# Altium PCB pokey.PcbDoc (part 3 of 4)
Units mil, origin at the board's own origin, x right, y up, seen from the top; angles counter-clockwise.
Board outline 14208.66 x 3708.66 mil, 4 copper layers (Top Layer, Mid-Layer 1, Mid-Layer 2, Bottom Layer), stack 61.2 mil thick; 385 components, 209 nets, 1413 pads, 947 vias.
Unrouted connection lines stored in the file: 121.
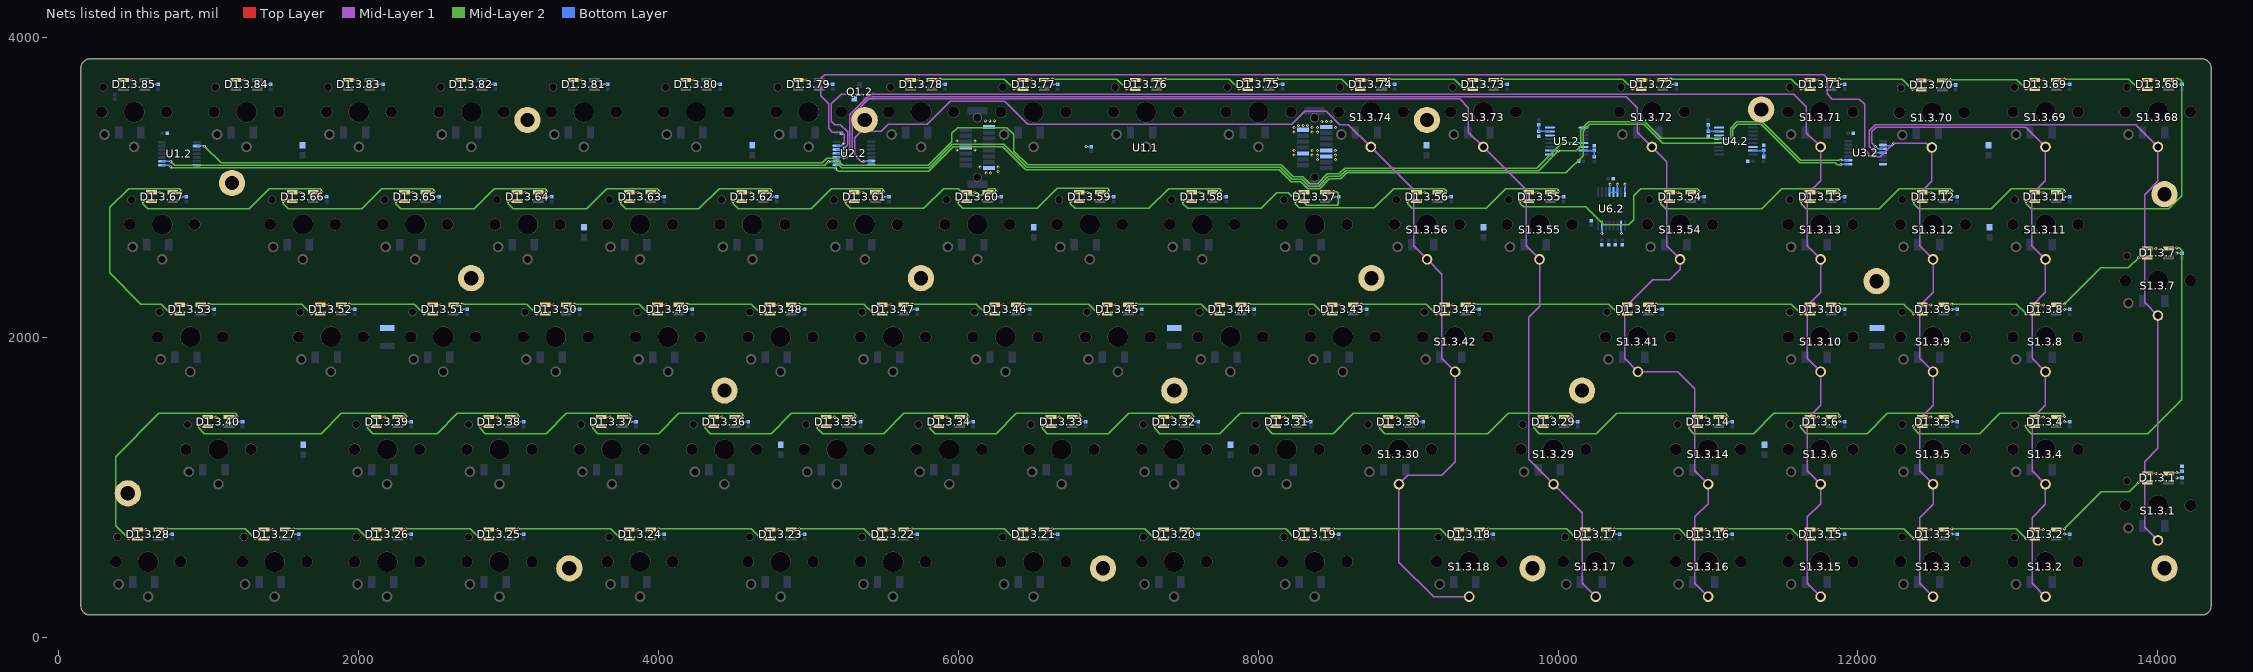
[diagram p5: the nets of this part, all layers, seen from the top]

## Via types
v1: diameter 20, hole 10, Top Layer to Bottom Layer, tented both sides, 946 vias
v2: diameter 20, hole 10, Top Layer to Bottom Layer, 1 vias

## Nets (pads, with @x,y where several pads share a name; then routed paths per layer and width w, separated by ;. In a path a pad name is that pad's centre, name@x,y a point inside that pad or via, vN(x,y) a via of type N, cw(c..) or ccw(c..) an arc to the next point about the centre after c; other vN are vias at no path point) (continued)
COL_11: S1.3.18.1 S1.3.30.1 S1.3.42.1 S1.3.56.1 S1.3.74.1 U2.2.6 | length 7841.6
  Mid-Layer 1 w10: v1(5367.5,3172.5) 5367.32,3172.68 5352.32,3172.68 5308.5,3216.5 5308.5,3331.13 5352.37,3375 5485,3375 5532.5,3422.5 5792.25,3422.5 5944.25,3574.5 6310.75,3574.5 6462.75,3422.5 8222.5,3422.5 8310,3510 8455,3510 8545,3420 8602.12,3420 S1.3.74.1@8751.41,3270.71 9037.07,2985.06 9037.07,2610.05 S1.3.56.1@9126.41,2520.71 9224.57,2422.56 9224.57,1860.05 S1.3.42.1@9313.91,1770.71 9313.91,1168.91 9225,1080 8998.21,1080 S1.3.30.1@8938.91,1020.71 8938.91,501.09 9169.29,270.71 9319.29,270.71 S1.3.18.1@9407.66,270.71
  Bottom Layer w10: v1(5367.5,3172.5) 5371.32,3176.32 U2.2.6@5418.64,3176.32
COL_12: S1.3.17.1 S1.3.29.1 S1.3.55.1 S1.3.73.1 U2.2.10 | length 8222.3
  Mid-Layer 1 w10: v1(5237.5,3197.5) 5257.5,3197.5 5292.5,3232.5 5292.5,3479.62 5403.38,3590.5 9343.41,3590.5 9402.5,3531.41 9402.5,3369.62 S1.3.73.1@9501.41,3270.71 9787.07,2985.06 9787.07,2610.05 S1.3.55.1@9876.41,2520.71 9876.41,2206.41 9804,2134 9804,1186.87 9880.82,1110.05 S1.3.29.1@9970.16,1020.71 10162.07,828.81 10162.07,360.05 S1.3.17.1@10251.41,270.71
  Bottom Layer w10: U2.2.10@5186.36,3201.91 5233.09,3201.91 v1(5237.5,3197.5)
COL_13: S1.3.14.1 S1.3.16.1 S1.3.41.1 S1.3.54.1 S1.3.72.1 U2.2.11 | length 9720.2
  Mid-Layer 1 w10: v1(5237.5,3227.5) 5276.5,3266.5 5276.5,3486.25 5396.75,3606.5 10453.5,3606.5 10527.5,3532.5 10527.5,3369.62 S1.3.72.1@10626.41,3270.71 10724.57,3172.56 10724.57,2610.05 S1.3.54.1@10813.91,2520.71 10813.91,2453.91 10745,2385 10630,2385 10443.32,2198.32 10443.32,1860.05 S1.3.41.1@10532.66,1770.71 10799.29,1770.71 10912.07,1657.93 10912.07,1110.05 S1.3.14.1@11001.41,1020.71 11001.41,891.41 10912.07,802.07 10912.07,360.05 S1.3.16.1@11001.41,270.71
  Bottom Layer w10: U2.2.11@5186.36,3227.5 v1(5237.5,3227.5)
COL_14: S1.3.6.1 S1.3.10.1 S1.3.13.1 S1.3.15.1 S1.3.71.1 U2.2.12 | length 10594.6
  Mid-Layer 1 w10: v1(5237.5,3262.5) 5260.5,3285.5 5260.5,3370.75 5212.75,3418.5 5176.5,3418.5 5152,3443 5152,3557 5217.5,3622.5 11572.07,3622.5 11657.07,3537.5 11657.07,3365.05 S1.3.71.1@11751.41,3270.71 11751.41,3046.41 11662.07,2957.07 11662.07,2610.05 S1.3.13.1@11751.41,2520.71 11751.41,2301.41 11662.07,2212.07 11662.07,1860.05 S1.3.10.1@11751.41,1770.71 11751.41,1546.41 11662.07,1457.07 11662.07,1110.05 S1.3.6.1@11751.41,1020.71 11751.41,891.41 11662.07,802.07 11662.07,360.05 S1.3.15.1@11751.41,270.71
  Bottom Layer w10: U2.2.12@5186.36,3253.09 5228.09,3253.09 v1(5237.5,3262.5)
COL_15: S1.3.3.1 S1.3.5.1 S1.3.9.1 S1.3.12.1 S1.3.70.1 U2.2.13 U3.2.2 | length 11863.1
  Mid-Layer 1 w10: v1(5237.5,3297.5) 5237.5,3352.5 5220,3370 5160,3370 5136,3394 5136,3559 5082.5,3612.5 5082.5,3727.5 5107.5,3752.5 11772.5,3752.5 11795,3730 11795,3625 11830,3590 12010,3590 12045,3555 12045,3250 12090,3205 12150.18,3205 v1(12238.86,3293.68) 12456.96,3293.68 S1.3.70.1@12483.75,3266.89 ; S1.3.70.1@12493.2,3266.89 12493.2,3042.59 12412.07,2961.46 12412.07,2610.05 S1.3.12.1@12501.41,2520.71 12501.41,2301.41 12412.07,2212.07 12412.07,1860.05 S1.3.9.1@12501.41,1770.71 12501.41,1546.41 12412.07,1457.07 12412.07,1110.05 S1.3.5.1@12501.41,1020.71 12501.41,886.41 12412.07,797.07 12412.07,360.05 S1.3.3.1@12501.41,270.71
  Bottom Layer w10: U2.2.13@5186.36,3278.68 U2.2.13@5186.36,3278.68 5218.74,3278.74 v1(5237.5,3297.5) ; U3.2.2@12185,3279.86 12225.04,3279.86 v1(12238.86,3293.68)
COL_16: S1.3.2.1 S1.3.4.1 S1.3.8.1 S1.3.11.1 S1.3.69.1 U3.2.3 | length 4690.8
  Mid-Layer 1 w10: v1(12117.07,3272.5) 12092.07,3297.5 12092.07,3372.5 12121.07,3401.5 13120.62,3401.5 S1.3.69.1@13251.41,3270.71 13251.41,3046.41 13160,2955 13160,2612.12 S1.3.11.1@13251.41,2520.71 13251.41,2301.41 13162.07,2212.07 13162.07,1860.05 S1.3.8.1@13251.41,1770.71 13251.41,1546.41 13162.07,1457.07 13162.07,1110.05 S1.3.4.1@13251.41,1020.71 13251.41,886.41 13162.07,797.07 13162.07,360.05 S1.3.2.1@13251.41,270.71
  Bottom Layer w10: v1(12117.07,3272.5) 12131.48,3258.09 U3.2.3@12168.21,3258.09
COL_17: S1.3.1.1 S1.3.7.1 S1.3.68.1 U3.2.4 | length 4989.8
  Mid-Layer 1 w10: v1(12117.07,3232.5) 12076.07,3273.5 12076.07,3379.13 12114.44,3417.5 13854.62,3417.5 S1.3.68.1@14001.41,3270.71 14001.41,3041.41 13912.07,2952.07 13912.07,2235.05 S1.3.7.1@14001.41,2145.71 14001.41,1261.41 13912.07,1172.07 13912.07,735.05 S1.3.1.1@14001.41,645.71
  Bottom Layer w10: v1(12117.07,3232.5) U3.2.4@12168.21,3232.5
COL_CLK: U1.2.8 U2.2.8 U3.2.8 U4.2.4 | length 12074.9
  Mid-Layer 2 w10: v1@753.5,3131.5 v1(747.5,3137.5) 750.21,3137.5 756.21,3131.5 5171.64,3131.5 5180.64,3122.5 v1(5182.5,3122.5) 5197.5,3107.5 5802.75,3107.5 5966.25,3271 6296.63,3271 6449.13,3118.5 8139.38,3118.5 8219.88,3038 8284.88,3038 8329.88,2993 8410.12,2993 8475.12,3058 8550.12,3058 8589.12,3097 10052,3097 10168.13,3213.13 10168.13,3378.16 10210.97,3421 10571.63,3421 10697.84,3294.79 v1(11126.7,3294.79) 11146.7,3294.79 11166.7,3314.79 11166.7,3389.79 11198.16,3421.25 11356.38,3421.25 11612.63,3165 11850,3165 11862.5,3152.5 v1(11887.07,3152.5)
  Bottom Layer w10: U1.2.8@687.5,3148.96 736.04,3148.96 v1(747.5,3137.5) ; v1(5182.5,3122.5) 5182.5,3125.21 5185.66,3128.36 5185.66,3150.03 U2.2.8@5186.36,3150.73 ; U4.2.4@11074.57,3296.77 11122.01,3296.77 11123.99,3294.79 v1(11126.7,3294.79) ; v1(11887.07,3152.5) 11890.29,3155.73 U3.2.8@11935.92,3155.73
COL_DIN: U1.2.2 U5.2.13 | length 9800.3
  Mid-Layer 2 w10: v1(970,3275) 1081.5,3163.5 5093.5,3163.5 5123.5,3193.5 5184.13,3193.5 5230.13,3147.5 5797.5,3147.5 5955,3305 5955,3360.25 5994.75,3400 6323.62,3400 6370,3353.62 6370,3242.88 6462.38,3150.5 8152.64,3150.5 8233.14,3070 8298.14,3070 8343.14,3025 8396.86,3025 8461.86,3090 8536.86,3090 8575.86,3129 9856.64,3129 10027.43,3299.79 v1(10112.13,3299.79)
  Bottom Layer w10: U1.2.2@919.78,3276.91 968.09,3276.91 v1(970,3275) ; v1(10112.13,3299.79) 10114.83,3299.79 10117.85,3296.77 U5.2.13@10169.41,3296.77
COL_RST: U1.2.9 U2.2.9 U3.2.9 U4.2.5 U5.2.2 | length 12099.1
  Mid-Layer 2 w10: v1(747.5,3172.5) 772.5,3147.5 5107.5,3147.5 v1(5132.5,3172.5) 5182.5,3172.5 5223.5,3131.5 5804.13,3131.5 5959.63,3287 6303.25,3287 6455.75,3134.5 8146.01,3134.5 8226.51,3054 8291.51,3054 8336.51,3009 8403.49,3009 8468.49,3074 8543.49,3074 8582.49,3113 9870.34,3113 v1(10002.13,3244.79) 10122.13,3244.79 10152.13,3274.79 10152.13,3384.79 10204.34,3437 10578.25,3437 10687.75,3327.5 v1@11117.5,3327.5 ; v1(11126.7,3324.79) 11127.38,3325.47 11141.38,3325.47 11150.7,3334.79 11150.7,3396.42 11191.53,3437.25 11363,3437.25 11617.75,3182.5 v1(11887.07,3182.5)
  Bottom Layer w10: U1.2.9@687.5,3174.55 742.75,3174.55 744.79,3172.5 v1(747.5,3172.5) ; v1(5132.5,3172.5) 5135.21,3172.5 5139.02,3176.32 U2.2.9@5186.36,3176.32 ; U5.2.2@9945,3245.59 10001.32,3245.59 v1(10002.13,3244.79) ; U4.2.5@11074.57,3322.36 11124.27,3322.36 v1(11126.7,3324.79) ; v1(11887.07,3182.5) 11888.25,3181.32 U3.2.9@11935.92,3181.32
GND: C1.1.1 C1.2.2 C1.3.1.2 C1.3.2.2 C1.3.3.2 C1.3.4.2 C1.3.5.2 C1.3.6.2 C1.3.7.2 C1.3.8.2 C1.3.9.2 C1.3.10.2 C1.3.11.2 C1.3.12.2 C1.3.13.2 C1.3.14.2 C1.3.15.2 C1.3.16.2 C1.3.17.2 C1.3.18.2 C1.3.19.2 C1.3.20.2 C1.3.21.2 C1.3.22.2 C1.3.23.2 C1.3.24.2 C1.3.25.2 C1.3.26.2 C1.3.27.2 C1.3.28.2 C1.3.29.2 C1.3.30.2 C1.3.31.2 C1.3.32.2 C1.3.33.2 C1.3.34.2 C1.3.35.2 C1.3.36.2 C1.3.37.2 C1.3.38.2 C1.3.39.2 C1.3.40.2 C1.3.41.2 C1.3.42.2 C1.3.43.2 C1.3.44.2 C1.3.45.2 C1.3.46.2 C1.3.47.2 C1.3.48.2 C1.3.49.2 C1.3.50.2 C1.3.51.2 C1.3.52.2 C1.3.53.2 C1.3.54.2 C1.3.55.2 C1.3.56.2 C1.3.57.2 C1.3.58.2 C1.3.59.2 C1.3.60.2 C1.3.61.2 C1.3.62.2 C1.3.63.2 C1.3.64.2 C1.3.65.2 C1.3.66.2 C1.3.67.2 C1.3.68.2 C1.3.69.2 C1.3.70.2 C1.3.71.2 C1.3.72.2 C1.3.73.2 C1.3.74.2 C1.3.75.2 C1.3.76.2 C1.3.77.2 C1.3.78.2 C1.3.79.2 C1.3.80.2 C1.3.81.2 C1.3.82.2 C1.3.83.2 C1.3.84.2 C1.3.85.2 C2.1.1 C2.2.2 C3.1.1 C3.2.2 C4.1.1 C4.2.1 C5.1.1 C5.2.2 C6.1.1 C6.2.2 C7.1.1 C7.2.1 C8.1.1 C8.2.2 C9.1.1 C9.2.1 C10.1.1 C10.2.2 C11.1.1 C12.1.1 C13.1.1 C14.1.1 C15.1.1 D1.3.1.3 D1.3.2.3 D1.3.3.3 D1.3.4.3 D1.3.5.3 D1.3.6.3 D1.3.7.3 D1.3.8.3 D1.3.9.3 D1.3.10.3 D1.3.11.3 D1.3.12.3 D1.3.13.3 D1.3.14.3 D1.3.15.3 D1.3.16.3 D1.3.17.3 D1.3.18.3 D1.3.19.3 D1.3.20.3 D1.3.21.3 D1.3.22.3 D1.3.23.3 D1.3.24.3 D1.3.25.3 D1.3.26.3 D1.3.27.3 D1.3.28.3 D1.3.29.3 D1.3.30.3 D1.3.31.3 D1.3.32.3 D1.3.33.3 D1.3.34.3 D1.3.35.3 D1.3.36.3 D1.3.37.3 D1.3.38.3 D1.3.39.3 D1.3.40.3 D1.3.41.3 D1.3.42.3 D1.3.43.3 D1.3.44.3 D1.3.45.3 D1.3.46.3 D1.3.47.3 D1.3.48.3 D1.3.49.3 D1.3.50.3 D1.3.51.3 D1.3.52.3 D1.3.53.3 D1.3.54.3 D1.3.55.3 D1.3.56.3 D1.3.57.3 D1.3.58.3 D1.3.59.3 D1.3.60.3 D1.3.61.3 D1.3.62.3 D1.3.63.3 D1.3.64.3 D1.3.65.3 D1.3.66.3 D1.3.67.3 D1.3.68.3 D1.3.69.3 D1.3.70.3 D1.3.71.3 D1.3.72.3 D1.3.73.3 D1.3.74.3 D1.3.75.3 D1.3.76.3 D1.3.77.3 D1.3.78.3 D1.3.79.3 D1.3.80.3 D1.3.81.3 D1.3.82.3 D1.3.83.3 D1.3.84.3 D1.3.85.3 pad.0 Q1.2.2 R6.2.1 R8.2.1 R9.2.1 R10.2.1 R11.2.1 R12.2.1 U1.1.1 U1.1.2 U1.1.9 U1.1.10 U1.1.11 U1.1.16 U1.1.23 U1.1.30 U1.2.7 U2.2.7 U3.2.7 U4.2.6 U4.2.8 U4.2.14 U5.2.1 U5.2.6 U5.2.8 U5.2.9 U5.2.14 U6.2.4 U6.2.5 U6.2.6 U6.2.8 U6.2.10 U6.2.15 | length 8112.8
  Top Layer w10: D1.3.85.3@430.55,3717.93 486.63,3717.93 v1(487.07,3717.5) ; D1.3.28.3@524.3,717.93 580.38,717.93 v1(580.82,717.5) ; D1.3.67.3@618.05,2967.93 674.13,2967.93 v1(674.57,2967.5) ; D1.3.53.3@805.55,2217.93 861.63,2217.93 v1(862.07,2217.5) ; D1.3.40.3@993.05,1467.93 1049.13,1467.93 v1(1049.57,1467.5) ; D1.3.84.3@1180.55,3717.93 1236.63,3717.93 v1(1237.07,3717.5) ; D1.3.27.3@1368.05,717.93 1424.13,717.93 v1(1424.57,717.5) ; D1.3.66.3@1555.55,2967.93 1611.63,2967.93 v1(1612.07,2967.5) ; D1.3.52.3@1743.05,2217.93 1799.13,2217.93 v1(1799.57,2217.5) ; D1.3.83.3@1930.55,3717.93 1986.63,3717.93 v1(1987.07,3717.5) ; D1.3.26.3@2118.05,717.93 2174.13,717.93 v1(2174.57,717.5) ; D1.3.39.3@2118.05,1467.93 2174.13,1467.93 v1(2174.57,1467.5) ; D1.3.65.3@2305.55,2967.93 2361.63,2967.93 v1(2362.07,2967.5) ; D1.3.51.3@2493.05,2217.93 2549.13,2217.93 v1(2549.57,2217.5) ; D1.3.82.3@2680.55,3717.93 2736.63,3717.93 v1(2737.07,3717.5) ; D1.3.25.3@2868.05,717.93 2924.13,717.93 v1(2924.57,717.5) ; D1.3.38.3@2868.05,1467.93 2924.13,1467.93 v1(2924.57,1467.5) ; D1.3.64.3@3055.55,2967.93 3111.63,2967.93 v1(3112.07,2967.5) ; D1.3.50.3@3243.05,2217.93 3299.13,2217.93 v1(3299.57,2217.5) ; D1.3.81.3@3430.55,3717.93 3486.63,3717.93 v1(3487.07,3717.5) ; D1.3.37.3@3618.05,1467.93 3674.13,1467.93 v1(3674.57,1467.5) ; D1.3.24.3@3805.55,717.93 3861.63,717.93 v1(3862.07,717.5) ; D1.3.63.3@3805.55,2967.93 3861.63,2967.93 v1(3862.07,2967.5) ; D1.3.49.3@3993.05,2217.93 4049.13,2217.93 v1(4049.57,2217.5) ; D1.3.80.3@4180.55,3717.93 4236.63,3717.93 v1(4237.07,3717.5) ; D1.3.36.3@4368.05,1467.93 4424.13,1467.93 v1(4424.57,1467.5) ; D1.3.62.3@4555.55,2967.93 4611.63,2967.93 v1(4612.07,2967.5) ; D1.3.23.3@4743.05,717.93 4799.13,717.93 v1(4799.57,717.5) ; D1.3.48.3@4743.05,2217.93 4799.13,2217.93 v1(4799.57,2217.5) ; D1.3.79.3@4930.55,3717.93 4986.63,3717.93 v1(4987.07,3717.5) ; D1.3.35.3@5118.05,1467.93 5174.13,1467.93 v1(5174.57,1467.5) ; D1.3.61.3@5305.55,2967.93 5361.63,2967.93 v1(5362.07,2967.5) ; D1.3.22.3@5493.05,717.93 5549.13,717.93 v1(5549.57,717.5) ; D1.3.47.3@5493.05,2217.93 5549.13,2217.93 v1(5549.57,2217.5) ; D1.3.78.3@5680.55,3717.93 5736.63,3717.93 v1(5737.07,3717.5) ; D1.3.34.3@5868.05,1467.93 5924.13,1467.93 v1(5924.57,1467.5) ; D1.3.60.3@6055.55,2967.93 6111.63,2967.93 v1(6112.07,2967.5) ; D1.3.46.3@6243.05,2217.93 6299.13,2217.93 v1(6299.57,2217.5) ; D1.3.21.3@6430.55,717.93 6486.63,717.93 v1(6487.07,717.5) ; D1.3.77.3@6430.55,3717.93 6486.63,3717.93 v1(6487.07,3717.5) ; D1.3.33.3@6618.05,1467.93 6674.13,1467.93 v1(6674.57,1467.5) ; D1.3.59.3@6805.55,2967.93 6861.63,2967.93 v1(6862.07,2967.5) ; D1.3.45.3@6993.05,2217.93 7049.13,2217.93 v1(7049.57,2217.5) ; D1.3.76.3@7180.55,3717.93 7236.63,3717.93 v1(7237.07,3717.5) ; D1.3.20.3@7368.05,717.93 7424.13,717.93 v1(7424.57,717.5) ; D1.3.32.3@7368.05,1467.93 7424.13,1467.93 v1(7424.57,1467.5) ; D1.3.58.3@7555.55,2967.93 7611.63,2967.93 v1(7612.07,2967.5) ; D1.3.44.3@7743.05,2217.93 7799.13,2217.93 v1(7799.57,2217.5) ; D1.3.75.3@7930.55,3717.93 7986.63,3717.93 v1(7987.07,3717.5) ; D1.3.31.3@8118.05,1467.93 8174.13,1467.93 v1(8174.57,1467.5) ; v1(8250,2965) 8302.61,2965 D1.3.57.3@8305.55,2967.93 ; D1.3.19.3@8305.55,717.93 8361.63,717.93 v1(8362.07,717.5) ; D1.3.43.3@8493.05,2217.93 8549.13,2217.93 v1(8549.57,2217.5) ; D1.3.74.3@8680.55,3717.93 8736.63,3717.93 v1(8737.07,3717.5) ; D1.3.30.3@8868.05,1467.93 8924.13,1467.93 v1(8924.57,1467.5) ; D1.3.56.3@9055.55,2967.93 9111.63,2967.93 v1(9112.07,2967.5) ; D1.3.42.3@9243.05,2217.93 9299.13,2217.93 v1(9299.57,2217.5) ; D1.3.18.3@9336.8,717.93 9392.88,717.93 v1(9393.32,717.5) ; D1.3.73.3@9430.55,3717.93 9486.63,3717.93 v1(9487.07,3717.5) ; D1.3.55.3@9805.55,2967.93 9861.63,2967.93 v1(9862.07,2967.5) ; D1.3.29.3@9899.3,1467.93 9955.38,1467.93 v1(9955.82,1467.5) ; D1.3.17.3@10180.55,717.93 10236.63,717.93 v1(10237.07,717.5) ; D1.3.41.3@10461.8,2217.93 10517.88,2217.93 v1(10518.32,2217.5) ; D1.3.72.3@10555.55,3717.93 10611.63,3717.93 v1(10612.07,3717.5) ; D1.3.54.3@10743.05,2967.93 10799.13,2967.93 v1(10799.57,2967.5) ; D1.3.16.3@10930.55,717.93 10986.63,717.93 v1(10987.07,717.5) ; D1.3.14.3@10930.55,1467.93 10986.63,1467.93 v1(10987.07,1467.5) ; D1.3.15.3@11680.55,717.93 11736.63,717.93 v1(11737.07,717.5) ; D1.3.6.3@11680.55,1467.93 11736.63,1467.93 v1(11737.07,1467.5) ; D1.3.10.3@11680.55,2217.93 11736.63,2217.93 v1(11737.07,2217.5) ; D1.3.13.3@11680.55,2967.93 11736.63,2967.93 v1(11737.07,2967.5) ; D1.3.71.3@11680.55,3717.93 11736.63,3717.93 v1(11737.07,3717.5) ; D1.3.70.3@12422.34,3714.12 12478.42,3714.12 v1(12478.86,3713.68) ; D1.3.3.3@12430.55,717.93 12486.63,717.93 v1(12487.07,717.5) ; D1.3.5.3@12430.55,1467.93 12486.63,1467.93 v1(12487.07,1467.5) ; D1.3.9.3@12430.55,2217.93 12486.63,2217.93 v1(12487.07,2217.5) ; D1.3.12.3@12430.55,2967.93 12486.63,2967.93 v1(12487.07,2967.5) ; D1.3.2.3@13180.55,717.93 13236.63,717.93 v1(13237.07,717.5) ; D1.3.4.3@13180.55,1467.93 13236.63,1467.93 v1(13237.07,1467.5) ; D1.3.8.3@13180.55,2217.93 13236.63,2217.93 v1(13237.07,2217.5) ; D1.3.11.3@13180.55,2967.93 13236.63,2967.93 v1(13237.07,2967.5) ; D1.3.69.3@13180.55,3717.93 13236.63,3717.93 v1(13237.07,3717.5) ; D1.3.1.3@13930.55,1092.93 13986.63,1092.93 v1(13987.07,1092.5) ; D1.3.7.3@13930.55,2592.93 13986.63,2592.93 v1(13987.07,2592.5) ; D1.3.68.3@13930.55,3717.93 13986.63,3717.93 v1(13987.07,3717.5)
  Bottom Layer w10: v1(627.07,3687.5) C1.3.85.2@662.07,3687.5 ; v1(720.82,687.5) C1.3.28.2@755.82,687.5 ; v1(814.57,2937.5) C1.3.67.2@849.57,2937.5 ; v1(1002.07,2187.5) C1.3.53.2@1037.07,2187.5 ; v1(1189.57,1437.5) C1.3.40.2@1224.57,1437.5 ; v1(1377.07,3687.5) C1.3.84.2@1412.07,3687.5 ; v1(1564.57,687.5) C1.3.27.2@1599.57,687.5 ; v1(1752.07,2937.5) C1.3.66.2@1787.07,2937.5 ; v1(1939.57,2187.5) C1.3.52.2@1974.57,2187.5 ; v1(2127.07,3687.5) C1.3.83.2@2162.07,3687.5 ; v1(2314.57,687.5) C1.3.26.2@2349.57,687.5 ; v1(2314.57,1437.5) C1.3.39.2@2349.57,1437.5 ; v1(2502.07,2937.5) C1.3.65.2@2537.07,2937.5 ; v1(2689.57,2187.5) C1.3.51.2@2724.57,2187.5 ; v1(2877.07,3687.5) C1.3.82.2@2912.07,3687.5 ; v1(3064.57,687.5) C1.3.25.2@3099.57,687.5 ; v1(3064.57,1437.5) C1.3.38.2@3099.57,1437.5 ; v1(3252.07,2937.5) C1.3.64.2@3287.07,2937.5 ; v1(3439.57,2187.5) C1.3.50.2@3474.57,2187.5 ; v1(3627.07,3687.5) C1.3.81.2@3662.07,3687.5 ; v1(3814.57,1437.5) C1.3.37.2@3849.57,1437.5 ; v1(4002.07,687.5) C1.3.24.2@4037.07,687.5 ; v1(4002.07,2937.5) C1.3.63.2@4037.07,2937.5 ; v1(4189.57,2187.5) C1.3.49.2@4224.57,2187.5 ; v1(4377.07,3687.5) C1.3.80.2@4412.07,3687.5 ; v1(4564.57,1437.5) C1.3.36.2@4599.57,1437.5 ; v1(4752.07,2937.5) C1.3.62.2@4787.07,2937.5 ; v1(4939.57,687.5) C1.3.23.2@4974.57,687.5 ; v1(4939.57,2187.5) C1.3.48.2@4974.57,2187.5 ; v1(5127.07,3687.5) C1.3.79.2@5162.07,3687.5 ; v1(5314.57,1437.5) C1.3.35.2@5349.57,1437.5 ; v1(5502.07,2937.5) C1.3.61.2@5537.07,2937.5 ; v1(5689.57,687.5) C1.3.22.2@5724.57,687.5 ; v1(5689.57,2187.5) C1.3.47.2@5724.57,2187.5 ; v1(5877.07,3687.5) C1.3.78.2@5912.07,3687.5 ; v1(6064.57,1437.5) C1.3.34.2@6099.57,1437.5 ; v1(6252.07,2937.5) C1.3.60.2@6287.07,2937.5 ; v1(6439.57,2187.5) C1.3.46.2@6474.57,2187.5 ; v1(6627.07,687.5) C1.3.21.2@6662.07,687.5 ; v1(6627.07,3687.5) C1.3.77.2@6662.07,3687.5 ; v1(6814.57,1437.5) C1.3.33.2@6849.57,1437.5 ; v1(6852.07,3272.5) C1.3.76.2@6887.07,3272.5 ; v1(7002.07,2937.5) C1.3.59.2@7037.07,2937.5 ; v1(7189.57,2187.5) C1.3.45.2@7224.57,2187.5 ; v1(7564.57,687.5) C1.3.20.2@7599.57,687.5 ; v1(7564.57,1437.5) C1.3.32.2@7599.57,1437.5 ; v1(7752.07,2937.5) C1.3.58.2@7787.07,2937.5 ; v1(7939.57,2187.5) C1.3.44.2@7974.57,2187.5 ; v1(8127.07,3687.5) C1.3.75.2@8162.07,3687.5 ; v1(8314.57,1437.5) C1.3.31.2@8349.57,1437.5 ; v1(8502.07,687.5) C1.3.19.2@8537.07,687.5 ; v1(8502.07,2937.5) C1.3.57.2@8537.07,2937.5 ; v1(8689.57,2187.5) C1.3.43.2@8724.57,2187.5 ; v1(8877.07,3687.5) C1.3.74.2@8912.07,3687.5 ; v1(9064.57,1437.5) C1.3.30.2@9099.57,1437.5 ; v1(9252.07,2937.5) C1.3.56.2@9287.07,2937.5 ; v1(9439.57,2187.5) C1.3.42.2@9474.57,2187.5 ; v1(9533.32,687.5) C1.3.18.2@9568.32,687.5 ; v1(9627.07,3687.5) C1.3.73.2@9662.07,3687.5 ; v1(10002.07,2937.5) C1.3.55.2@10037.07,2937.5 ; v1(10095.82,1437.5) C1.3.29.2@10130.82,1437.5 ; v1(10292.5,2692.5) 10293.3,2693.3 U6.2.15@10293.3,2745.22 ; v1(10347.5,3022.5) 10347.5,3019.79 10344.48,3016.78 U6.2.4@10344.48,2969.63 U6.2.5@10370.07,2969.63 U6.2.6@10395.66,2969.63 10395.67,3020.67 v1(10397.5,3022.5) ; v1(10377.07,687.5) C1.3.17.2@10412.07,687.5 ; U6.2.10@10421.26,2745.22 10421.26,2693.74 v1(10422.5,2692.5) ; U6.2.8@10446.85,2969.63 10447.5,2970.28 v1(10447.5,3022.5) ; v1(10658.32,2187.5) C1.3.41.2@10693.32,2187.5 ; v1(10752.07,3687.5) C1.3.72.2@10787.07,3687.5 ; v1(10939.57,2937.5) C1.3.54.2@10974.57,2937.5 ; v1(11127.07,687.5) C1.3.16.2@11162.07,687.5 ; v1(11127.07,1437.5) C1.3.14.2@11162.07,1437.5 ; v1(11877.07,687.5) C1.3.15.2@11912.07,687.5 ; v1(11877.07,1437.5) C1.3.6.2@11912.07,1437.5 ; v1(11877.07,2187.5) C1.3.10.2@11912.07,2187.5 ; v1(11877.07,2937.5) C1.3.13.2@11912.07,2937.5 ; v1(11877.07,3687.5) C1.3.71.2@11912.07,3687.5 ; v1(12618.86,3683.68) C1.3.70.2@12653.86,3683.68 ; v1(12627.07,687.5) C1.3.3.2@12662.07,687.5 ; v1(12627.07,1437.5) C1.3.5.2@12662.07,1437.5 ; v1(12627.07,2187.5) C1.3.9.2@12662.07,2187.5 ; v1(12627.07,2937.5) C1.3.12.2@12662.07,2937.5 ; v1(13377.07,687.5) C1.3.2.2@13412.07,687.5 ; v1(13377.07,1437.5) C1.3.4.2@13412.07,1437.5 ; v1(13377.07,2187.5) C1.3.8.2@13412.07,2187.5 ; v1(13377.07,2937.5) C1.3.11.2@13412.07,2937.5 ; v1(13377.07,3687.5) C1.3.69.2@13412.07,3687.5 ; v1(14127.07,1062.5) C1.3.1.2@14162.07,1062.5 ; v1(14127.07,2562.5) C1.3.7.2@14162.07,2562.5 ; v1(14127.07,3687.5) C1.3.68.2@14162.07,3687.5
  other v1: 6185,3095 6215,3095 6265,3105 6145,3135 6265,3135 8395,3185 8515,3185 8240,3215 8360,3215 8395,3215 8515,3215 8240,3245 8360,3245 8395,3245 8515,3245 5990,3250 6110,3250 5990,3310 6110,3310 8240,3370 8360,3370 8395,3370 8240,3400 8360,3400 8395,3400 8515,3400 8270,3415 8300,3415 8330,3415 8425,3440 8455,3440 8485,3440 6180,3445 6210,3445 6240,3445 7377.07,3687.5
NetC4.2_2: C4.2.2 R1.2.1 U4.2.15 | length 117.5
  Bottom Layer w10: U4.2.15@11298.98,3245.59 11367.5,3245.59 C4.2.2@11371.7,3249.79 R1.2.1@11371.7,3206.76
NetC6.2_1: C6.2.1 R2.2.1 U4.2.7 | length 118.4
  Bottom Layer w10: R2.2.1@11001.7,3419.79 C6.2.1@11001.7,3374.79 11045.73,3374.79 11046.97,3373.54 U4.2.7@11074.57,3373.54
NetC7.2_2: C7.2.2 R5.2.1 U5.2.15 | length 116.7
  Bottom Layer w10: U5.2.15@10169.41,3245.59 10239.9,3245.59 C7.2.2@10242.13,3247.82 R5.2.1@10242.13,3204.79
NetC9.2_2: C9.2.2 R7.2.1 U5.2.7 | length 118.4
  Bottom Layer w10: R7.2.1@9872.13,3419.79 C9.2.2@9872.13,3374.79 9873.37,3373.54 U5.2.7@9945,3373.54
NetD1.3.1_2: D1.3.1.2 R11.2.2 | length 96
  Top Layer w10: D1.3.1.2@14072.28,1092.93 14076.85,1097.5 v1(14127.07,1097.5)
  Bottom Layer w10: v1(14127.07,1097.5) 14151.53,1097.5 R11.2.2@14162.07,1108.03
NetD1.3.1_4: D1.3.1.4 D1.3.2.2 | length 739.1
  Top Layer w10: D1.3.2.2@13322.28,717.93 13326.85,722.5 v1(13377.07,722.5) ; v1(13872.07,1032.5) 13929.17,1032.5 D1.3.1.4@13930.55,1033.88